# Altium PCB SmartHaloV1_ASCII.PcbDoc (part 3 of 4) (continued)
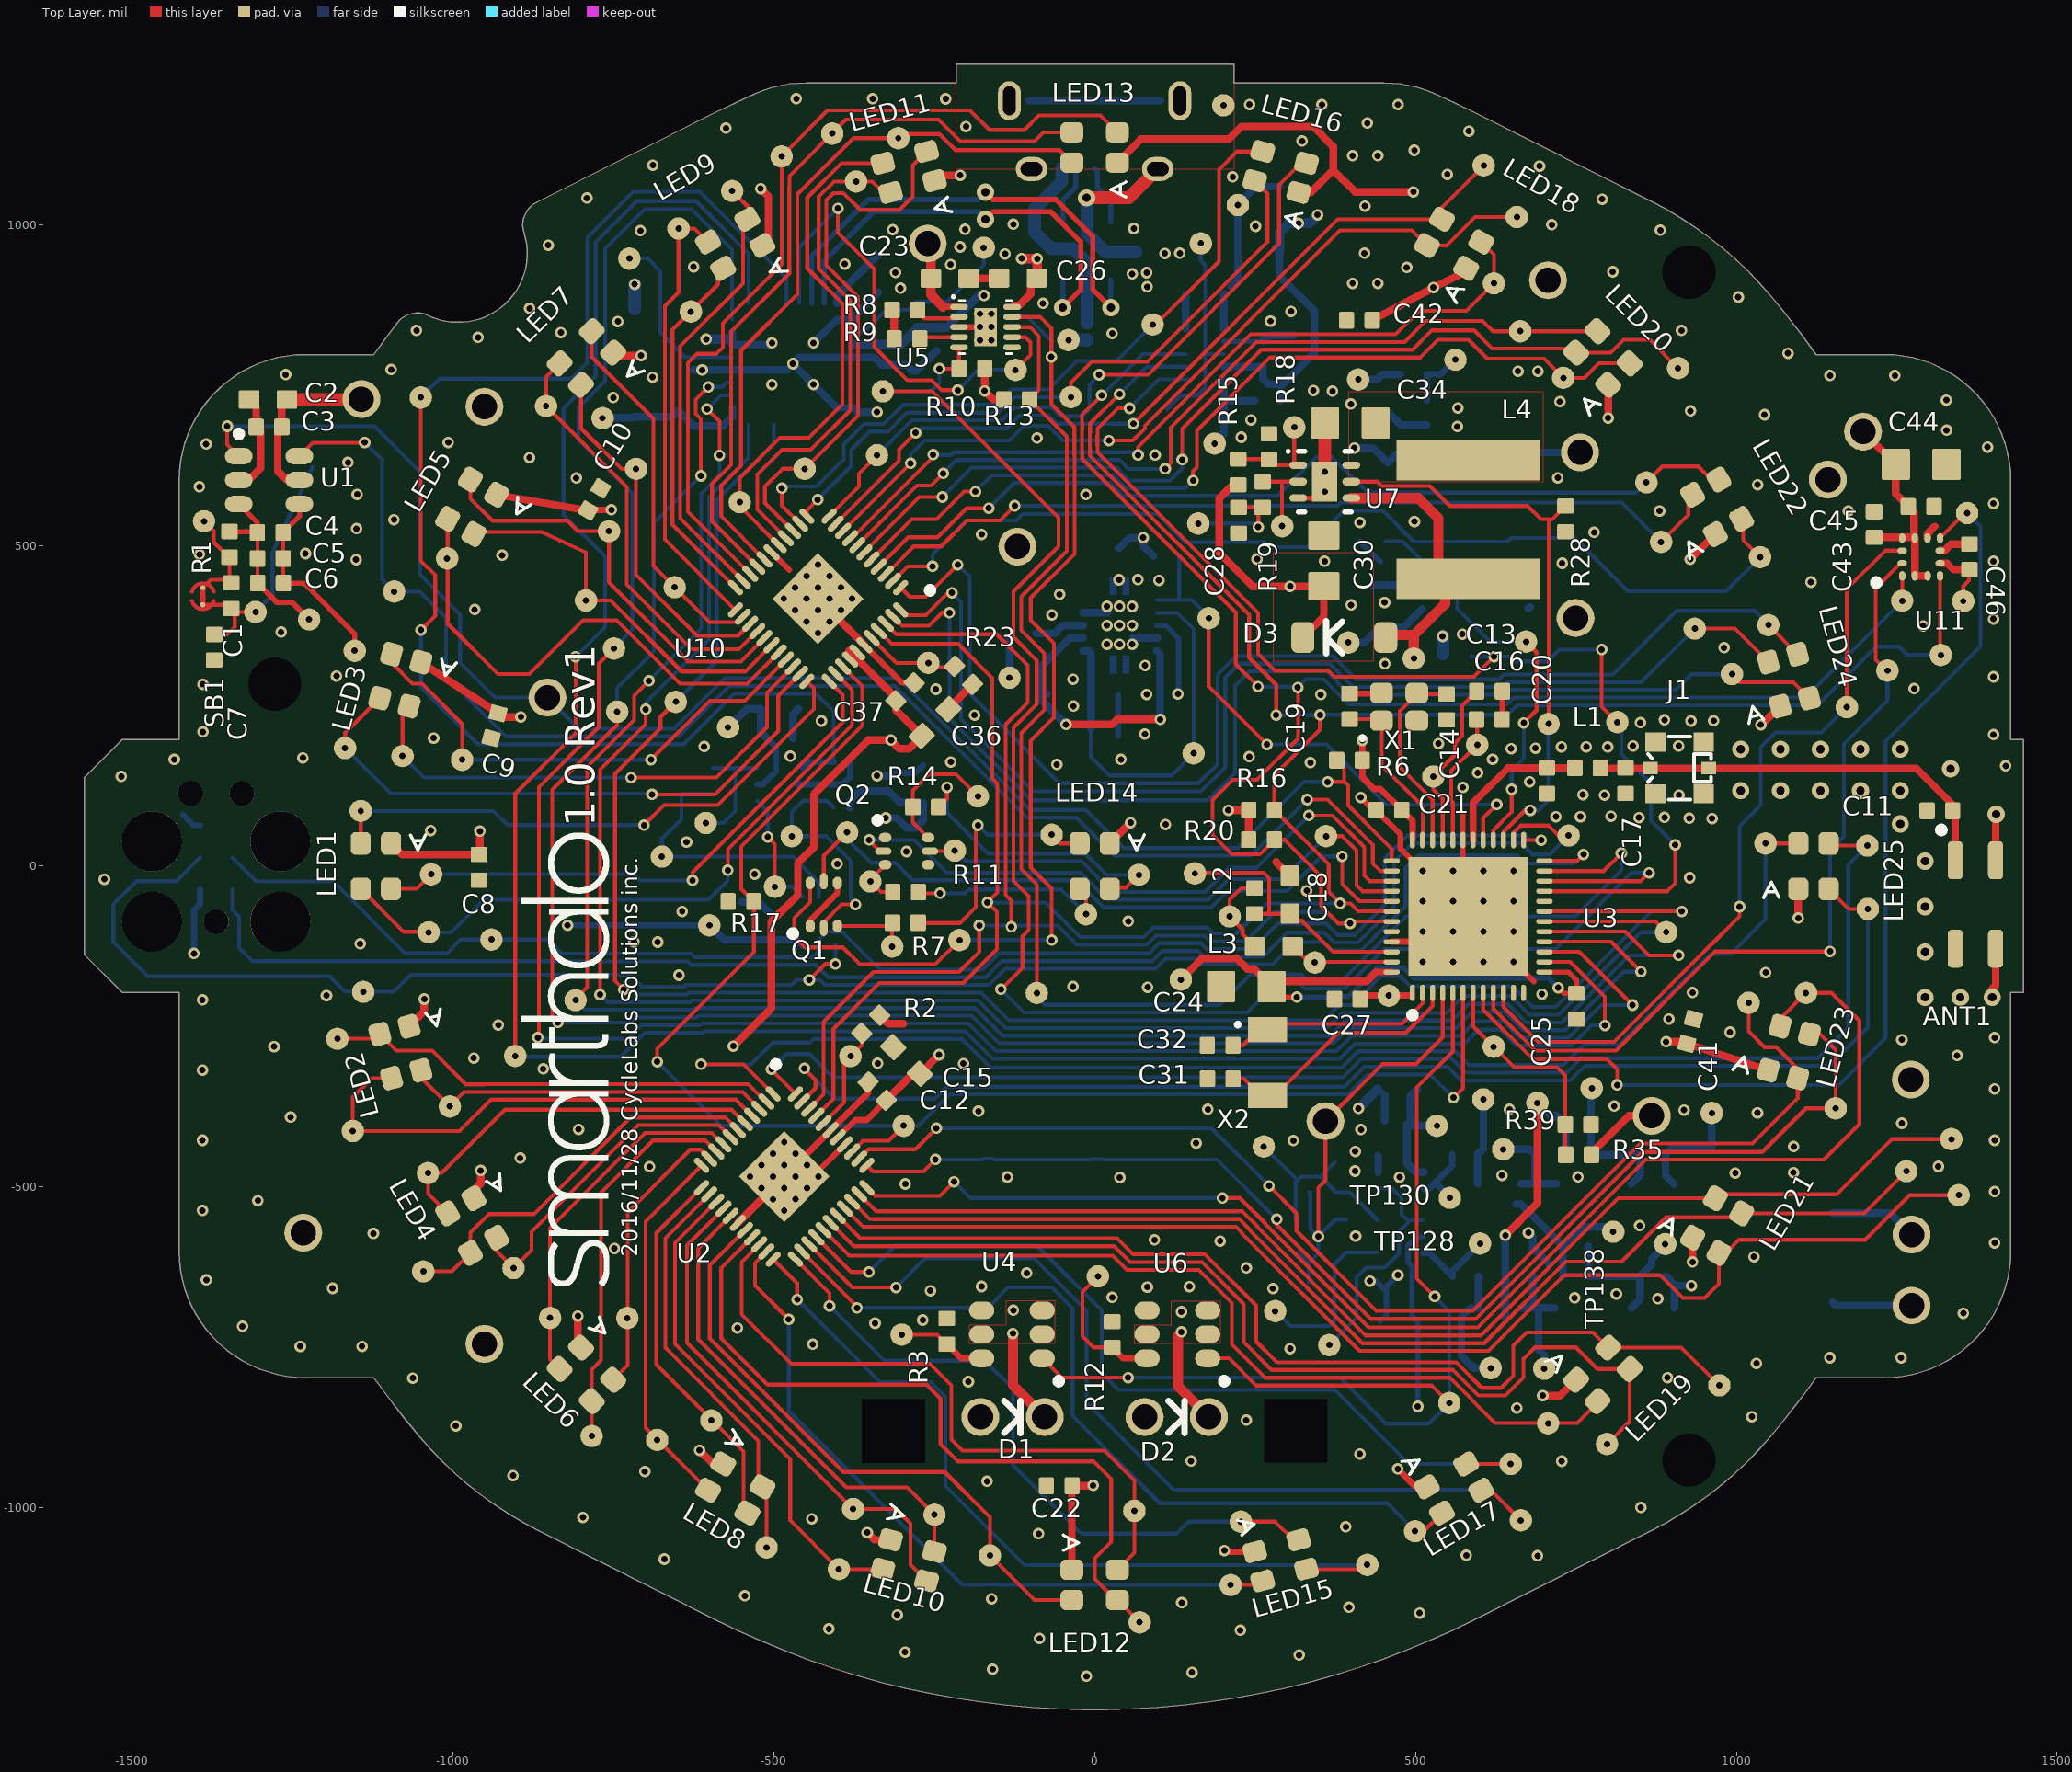
[diagram p0: Top Layer view]
## Nets (pads, with @x,y where several pads share a name; then routed paths per layer and width w, separated by ;. In a path a pad name is that pad's centre, name@x,y a point inside that pad or via, vN(x,y) a via of type N, cw(c..) or ccw(c..) an arc to the next point about the centre after c; other vN are vias at no path point) (continued)
  Bottom Layer w6: v1(-124.5,561.7) -21.46,561.7 -20.86,561.1 -5.94,561.1 -5.34,561.7 378.79,561.7 383.79,566.7 821.3,566.7 TP68.1@882.7,505.3
OUT42: LED22.3 TP67.1 U10.4 | length 1444.6
  Top Layer w6: U10.4@-336.45,466.81 -290.66,512.6 -245,512.6 -199.8,557.8 v1(-164.9,557.8) ; TP67.1@859.8,598.1 884.7,623 940.6,623 961.06,602.54 LED22.3@972.74,602.54
  Bottom Layer w6: v1(-164.9,557.8) -164.9,557.9 -125.7,597.1 23.9,597.1 43.9,577.1 284.7,577.1 344.8,637.2 370.2,637.2 425.2,582.2 843.9,582.2 TP67.1@859.8,598.1
OUT43: LED20.2 TP71.1 U10.5 | length 1416.1
  Top Layer w6: U10.5@-347.58,477.95 -284.66,540.87 -246.23,540.87 -203.4,583.7 v1(-185.8,583.7) ; v1@153.4,600.35 v1(153.4,600.83) 153.4,615.6 159.4,621.6 159.4,678.8 273.5,792.9 507.4,792.9 534.7,820.2 582.6,820.2 611.9,790.9 700.5,790.9 TP71.1@730.3,761.1 763.2,761.1 785.76,783.66 LED20.2@833.77,783.66
  Bottom Layer w6: v1(-185.8,583.7) -160.4,609.1 28.87,609.1 48.87,589.1 141.67,589.1 v1(153.4,600.83)
OUT44: LED20.4 TP70.1 U10.6 | length 1505.4
  Top Layer w6: U10.6@-358.72,489.08 -358.72,490.02 -273.44,575.3 v1(-237.5,575.3) ; v1(136.49,633.41) 136.49,681.69 259.7,804.9 495.4,804.9 525.7,835.2 591.1,835.2 619.5,806.8 743.81,806.8 LED20.4@750.25,800.36 804.36,800.36 824.3,820.3 865.1,820.3 TP70.1@909.2,776.2
  Bottom Layer w6: v1(-237.5,575.3) -191.7,621.1 33.84,621.1 53.84,601.1 117.46,601.1 136.49,620.13 v1(136.49,633.41)
OUT45: LED20.3 TP69.1 U10.7 | length 1349.2
  Top Layer w6: U10.7@-369.85,500.22 -276.77,593.3 -254.8,593.3 v1(-236,612.1) ; v1(110,619.1) 118.49,627.59 118.49,683.49 251.9,816.9 482.9,816.9 515.7,849.7 604.6,849.7 620.53,833.77 TP69.1@663.17,833.77 LED20.3@783.66,833.77
  Bottom Layer w6: v1(-236,612.1) -215,633.1 38.81,633.1 52.81,619.1 v1(110,619.1)
OUT46: LED18.2 TP72.1 U10.8 | length 1254.3
  Top Layer w6: U10.8@-380.99,511.35 -377.81,511.35 -251.7,637.46 v1(-251.7,641.5) ; v1(67.7,640.8) 67.7,653.3 243.3,828.9 469.2,828.9 506,865.7 579.5,865.7 TP72.1@622.2,908.4 622.2,953.08 LED18.2@602.54,972.74
  Bottom Layer w6: v1(-251.7,641.5) -251.7,640.96 -251.54,640.8 -224.27,640.8 -219.97,645.1 63.4,645.1 v1(67.7,640.8)
OUT47: LED18.4 TP73.1 U10.9 | length 1301.6
  Top Layer w6: U10.9@-392.13,522.49 v1(-286.8,627.81) ; v1(22.4,663.3) 59.46,663.3 78.3,682.14 78.3,686.5 382.5,990.7 494.1,990.7 LED18.4@517.54,967.26 548.46,967.26 592.9,1011.7 TP73.1@657.9,1011.7
  Bottom Layer w6: v1(-286.8,627.81) -286.8,641.2 -264.7,663.3 -133.1,663.3 -110,686.4 -72.47,686.4 -49.38,663.3 v1(22.4,663.3)
OUT48: LED18.3 TP74.1 U10.10 | length 1272.5
  Top Layer w6: U10.10@-403.26,533.62 -304.8,632.08 -304.8,649.36 v1(-278.86,675.3) ; v1(60.3,689.6) 378.87,1008.17 LED18.3@541.16,1008.17 541.16,1026.96 TP74.1@606.3,1092.1
  Bottom Layer w6: v1(-278.86,675.3) -271.66,682.5 -136.9,682.5 -117.2,702.2 -71.3,702.2 -58.7,689.6 v1(60.3,689.6)
OUT49: LED16.2 TP123.1 U10.11 | length 1070.8
  Top Layer w6: U10.11@-413.7,545.45 -367.1,592.06 -367.1,612 TP123.1@-338.9,640.2 ; v1(7,765.9) 83.2,765.9 287.2,969.9 287.2,1061.1 321.64,1095.54 LED16.2@330.22,1095.54
  Bottom Layer w6: TP123.1@-338.9,640.2 -338.9,640.72 -284.72,694.9 -144.27,694.9 -124.27,714.9 -67.03,714.9 -53.73,701.6 -18.8,701.6 -7.8,712.6 -7.8,751.1 v1(7,765.9)
OUT50: LED16.4 TP124.1 U10.12 | length 1031.5
  Top Layer w6: U10.12@-448.5,545.45 -448.5,554.3 v1(-431.5,571.3) ; TP124.1@-37,730.9 -37,753.7 -4.6,786.1 82.3,786.1 269.3,973.1 269.3,1048.49 LED16.4@249.54,1068.24
  Bottom Layer w6: v1(-431.5,571.3) -379.1,623.7 -379.1,648.8 -350.6,677.3 -322,677.3 -292.4,706.9 -149.24,706.9 -125.24,730.9 TP124.1@-37,730.9
OUT51: LED16.3 TP122.1 U10.13 | length 1131.2
  Top Layer w6: v1(-487.4,589.1) -487.4,562.08 U10.13@-458.94,533.62 ; TP122.1@90.9,843.8 94.88,843.8 193.6,942.52 193.6,1085.6 221.88,1113.88 LED16.3@261.77,1113.88
  Bottom Layer w6: v1(-487.4,589.1) -484.93,591.57 -433.33,591.57 -391.1,633.8 -391.1,657.32 -359.12,689.3 -328.4,689.3 -298.8,718.9 -154.21,718.9 -130.21,742.9 -72.2,742.9 -27.5,787.6 33.9,787.6 TP122.1@90.5,844.2
OUT52: LED11.2 TP119.1 U10.14 | length 872.4
  Top Layer w6: U10.14@-470.07,522.49 -513.8,566.21 -513.8,592 -486.5,619.3 TP119.1@-451.9,619.3 -368.8,702.4 -368.8,887.04 -418.1,936.34 -418.1,1038 -407.1,1049 -391.6,1049 -365.34,1022.74 -304.22,1022.74 -283.3,1043.66 -283.3,1092.39 LED11.2@-261.81,1113.88
OUT53: LED11.4 TP120.1 U10.15 | length 785.9
  Top Layer w6: U10.15@-481.21,511.35 -525.8,555.94 -525.8,610.4 -487.2,649 -442.3,649 -380.9,710.4 -380.9,882.17 -430.1,931.37 -430.1,1042.97 -406.07,1067 -346.5,1067 -329.4,1049.9 LED11.4@-318.03,1049.9
OUT54: LED11.3 TP121.1 U10.16 | length 822.3
  Top Layer w6: U10.16@-492.35,500.22 -553,560.87 -553,605.1 -490.6,667.5 -445.5,667.5 -392.9,720.1 -392.9,876.8 -447.9,931.8 -447.9,1042.14 -394.5,1095.54 LED11.3@-330.26,1095.54
OUT55: LED13.4 TP118.1 U10.18 | length 1131.2
  Top Layer w6: U10.18@-514.62,477.95 -581.8,545.13 -581.8,593.27 -551.1,623.97 -551.1,803.5 -463.1,891.5 -463.1,1047.1 -375.6,1134.6 TP118.1@-306,1134.6 -299.56,1141.04 -241.74,1141.04 -216.6,1115.9 -54.88,1115.9 LED13.4@-35.43,1096.46
OUT56: LED13.3 TP117.1 U10.19 | length 1183.9
  Top Layer w6: U10.19@-525.75,466.81 -596.2,537.26 -596.2,595.84 -566.6,625.44 -566.6,833 -475.85,923.75 -475.85,972.98 -475.8,973.03 -475.8,1058.27 ; -475.6,1058.47 -475.6,1075.6 -387.7,1163.5 -243.2,1163.5 -209.6,1129.9 -93.8,1129.9 -80,1143.7 LED13.3@-35.43,1143.7
OUT57: LED13.2 TP116.1 U10.20 | length 1354.1
  Top Layer w6: U10.20@-536.89,455.67 -633.8,552.59 -633.8,784.3 -619.5,798.6 -589.2,798.6 -579.6,808.2 -579.6,846.3 -487.85,938.05 -487.85,977.95 -487.8,978 TP116.1@-487.8,1106.12 ; TP116.1@-487.6,1106.5 -416.3,1177.8 -194.3,1177.8 -164,1147.5 -109.4,1147.5 -86.9,1170 9.13,1170 LED13.2@35.43,1143.7
OUT58: LED9.2 TP95.1 U10.21 | length 706.7
  Top Layer w6: TP95.1@-564.9,1052.4 -533.1,1020.6 -533.1,1016.24 LED9.2@-541.16,1008.17 ; U10.21@-548.02,444.54 -645.8,542.32 -645.8,810.3 -547.9,908.2 -547.9,996.39 LED9.2@-538.64,1005.65
OUT59: LED9.4 TP93.1 U10.22 | length 571.4
  Top Layer w6: LED9.4@-582.17,933.62 -586.9,928.89 -586.9,906.8 TP93.1@-629.3,864.4 -657.8,835.9 -657.8,532.04 U10.22@-559.85,434.1
OUT60: LED9.3 TP94.1 U10.23 | length 703.5
  Top Layer w6: LED9.3@-602.54,972.74 -623.6,993.8 TP94.1@-648.4,993.8 -648.4,894.5 -669.8,873.1 -669.8,509.25 U10.23@-559.85,399.3
OUT61: LED7.2 TP92.1 U10.24 | length 584.9
  Top Layer w6: LED7.2@-784,833.46 -784,793.9 -687.6,697.5 -687.6,467.8 -600.2,380.4 -556.48,380.4 U10.24@-548.02,388.86
OUT62: LED7.4 TP91.1 U10.25 | length 569.4
  Top Layer w6: LED7.4@-800.4,750.25 -800.4,682.4 -737.1,619.1 TP91.1@-714.6,619.1 -714.6,454.3 -619.6,359.3 -555.31,359.3 U10.25@-536.89,377.73
OUT63: LED7.3 TP90.1 U10.26 | length 662.3
  Top Layer w6: LED7.3@-833.81,783.66 -854.76,762.7 -854.76,716.86 -729,591.1 -729,439.1 -627.9,338 -554.34,338 U10.26@-525.75,366.59
OUT64: LED5.2 TP89.1 U10.27 | length 661.2
  Top Layer w6: LED5.2@-972.78,608.61 LED5.2@-972.78,602.54 -972.78,572.68 -938.44,538.34 -821.64,538.34 -805.5,522.2 TP89.1@-756.8,522.2 -756.8,442.3 -633.4,318.9 -551.17,318.9 U10.27@-514.62,355.45
OUT65: LED5.4 TP88.1 U10.28 | length 612
  Top Layer w6: LED5.4@-967.3,517.54 -967.3,520.99 -862,520.99 -792.7,488.93 TP88.1@-792.7,414.1 -754.3,414.1 -643.5,303.3 -544.5,303.3 U10.28@-503.48,344.32
OUT66: LED5.3 TP87.1 U10.29 | length 807.8
  Top Layer w6: LED5.3@-1008.21,541.16 -1008.21,377.81 -929.8,299.4 -881,299.4 -797.1,383.3 -745,383.3 -645.9,284.2 -541.33,284.2 U10.29@-492.35,333.18
OUT67: LED3.2 TP85.1 U10.30 | length 787.6
  Top Layer w6: LED3.2@-1095.58,330.22 -1095.58,316.98 -1062.8,284.2 -1048.2,284.2 -985.7,221.7 TP85.1@-985.7,165.9 ; v1(-691.5,165.9) -599.4,258 -545.26,258 U10.30@-481.21,322.05
  Bottom Layer w6: TP85.1@-985.7,165.9 v1(-691.5,165.9)
OUT68: LED3.4 TP84.1 U10.31 | length 807.7
  Top Layer w6: TP84.1@-1078.6,171.7 -1078.6,239.23 LED3.4@-1068.28,249.54 ; v1(-722.4,138) -589.3,138 -510.7,216.6 -510.7,270.29 U10.31@-470.07,310.91
  Bottom Layer w6: TP84.1@-1078.6,171.7 -1044.9,138 v1(-722.4,138)
OUT69: LED3.3 TP83.1 U10.32 | length 947.8
  Top Layer w6: TP83.1@-1168.1,184.1 -1168.1,207.59 LED3.3@-1113.92,261.77 ; v1(-689.7,111.8) -591.8,111.8 -493,210.6 -493,265.72 U10.32@-458.94,299.78
  Bottom Layer w6: TP83.1@-1168.1,184.1 -1096.9,112.9 v1@-690.8,112.9
OUT70: LED1.2 TP82.1 U10.33 | length 889.9
  Top Layer w6: TP82.1@-1143.7,86 LED1.2@-1143.7,35.43 LED1.2@-1142.5,36.63 ; v1(-702.2,64) -671,95.2 -587.5,95.2 -437.6,245.1 -437.6,277.05 U10.33@-448.5,287.95
  Bottom Layer w6: TP82.1@-1143.7,86 -936.8,86 -914.8,64 v1(-702.2,64)
OUT71: LED1.4 TP81.1 U10.34 | length 898.5
  Top Layer w6: LED1.4@-1096.46,-35.43 -1056.83,-35.43 TP81.1@-1033.9,-12.5 ; v1(-626.7,-22.1) -626.7,-9.8 -392.7,224.2 -392.7,266.94 U10.34@-413.43,287.67
  Bottom Layer w6: TP81.1@-1033.9,-12.5 -718.3,-12.5 -708.7,-22.1 v1(-626.7,-22.1)
OUT72: LED1.3 TP80.1 U10.35 | length 1046.2
  Top Layer w6: LED1.3@-1143.7,-35.43 -1076.83,-102.3 -1038.6,-102.3 TP80.1@-1037.8,-103.1 ; v1(-571.7,-6.3) -571.7,26.53 -378.2,220.03 -378.2,274.72 U10.35@-403.26,299.78
  Bottom Layer w6: TP80.1@-1037.8,-103.1 -1002.6,-103.1 -951.9,-52.4 -601.7,-52.4 -571.7,-22.4 v1(-571.7,-6.3)
P0.09/NFC1: U3.11
P0.10/NFC2: U3.12
P\G\: R10.1 TP149.1 U3.22 U5.5 | length 2647.6
  Top Layer w6: TP149.1@-330.1,740.1 -253.6,740.1 -56.4,542.9 -56.4,498.2 -126.5,428.1 -126.5,357.1 -90.42,321.02 -90.42,252.01 -126.5,215.93 -126.5,-23 -102.9,-46.6 -102.9,-99.32 -112.4,-108.82 -112.4,-158.6 v1(-145.9,-192.1) ; v1(-241.9,775.3) R10.1@-211.4,775.3 U5.5@-211.4,808.64 ; U3.22@700.99,-23.28 851.02,-23.28 v1(863.9,-10.4)
  Bottom Layer w6: TP149.1@-330.1,740.1 -255.1,740.1 -241.9,753.3 v1(-241.9,775.3) ; v1(-145.9,-192.1) -109.8,-228.2 237.5,-228.2 284.8,-180.9 317.36,-180.9 326.96,-190.5 389.81,-190.5 401.43,-178.88 401.66,-178.88 451.44,-129.1 718.1,-129.1 836.8,-10.4 v1(863.9,-10.4)
PRETERM: R9.1 U5.4 | length 62
  Top Layer w6: R9.1@-272.4,822.1 -270.05,824.45 U5.4@-211.34,824.45
QTOUCH: R6.1 TP100.1 U1.1 U3.37 | length 2506.3
  Top Layer w6: v1(-1351.7,685.7) -1351.7,657.08 U1.1@-1333.78,639.15 ; v1(363.2,131.3) 388.9,131.3 ; R6.1@377.2,165.1 388.9,153.4 388.9,131.3 ; U3.37@462.81,8.21 462.81,26.99 429.73,60.07 429.67,60.07 424.55,65.2 417.8,71.95 417.8,72 395,94.8 395,126 389.3,131.7 388.9,131.3
  Bottom Layer w6: v1(-1351.7,685.7) -1122.2,685.7 -1051.5,615 -1051.5,454.7 -988.8,392 -988.8,316.9 -934.7,262.8 TP100.1@-852.7,262.8 -804.1,214.2 -655.1,214.2 -576.3,293 -306.14,293 -100.94,87.8 -14.3,87.8 45.3,28.2 223,28.2 326.5,131.7 326.9,131.3 v1(363.2,131.3)
R\E\S\E\T\: R32.1 R33.2 TP152.1 U16.18 | length 273.2
  Bottom Layer w6: U16.18@-375.91,832.31 -359.59,832.31 -324.92,866.98 -290.72,866.98 R33.2@-278.3,879.4 -230.6,879.4 -172.8,937.2 TP152.1@-172.8,963.8
RTS: TP142.1 U3.15 U16.8 | length 3658.7
  Top Layer w6: v1(-867.7,-267.1) -866.1,-265.5 -866.1,123.3 -772.5,216.9 -772.5,315.8 TP142.1@-749.1,339.2 ; U3.15@700.99,-133.52 755.32,-133.52 v1(838.3,-216.5)
  Bottom Layer w6: v1(-867.7,-267.1) -867.7,-268.6 -727.3,-268.6 -706.6,-247.9 -615.19,-247.9 -612.49,-245.2 -196.66,-245.2 -153.66,-288.2 376.96,-288.2 400.66,-264.5 563.21,-264.5 563.41,-264.3 570.5,-264.3 593.1,-241.7 636.65,-241.7 660.4,-265.45 660.4,-265.68 662.32,-267.6 738.04,-267.6 789.14,-216.5 v1(838.3,-216.5) ; TP142.1@-749.1,339.2 -720.3,368 -720.3,581 -804.6,665.3 -804.6,714.5 -762.9,756.2 -762.9,962 -701.2,1023.7 -627.9,1023.7 -564.89,960.69 U16.8@-564.89,852
RXD: TP144.1 U3.19 U16.30 | length 2984.1
  Top Layer w6: v1(-733.9,-192.2) -747.5,-178.6 -747.5,143.6 -676.4,214.7 -676.4,232.5 TP144.1@-652.8,256.1 ; U3.19@700.99,-70.53 v1(914.93,-70.53)
  Bottom Layer w6: v1(-733.9,-192.2) -717.7,-192.2 -710,-199.9 -635.07,-199.9 -632.37,-197.2 -176.78,-197.2 -133.78,-240.2 357.08,-240.2 380.78,-216.5 400.81,-216.5 445.91,-171.4 475.82,-171.4 491.72,-187.3 650.13,-187.3 682.43,-219.6 718.16,-219.6 867.23,-70.53 v1(914.93,-70.53) ; TP144.1@-652.8,256.1 -589.1,319.8 -589.1,570.2 -499.93,659.37 U16.30@-499.93,688.61
S2V8: C2.1 C3.1 C29.1 C33.1 C38.1 C40.1 C47.1 TP16.1 TP17.1 TP18.1 U1.5 U8.5 U9.5 U12.5 | length 4493.5
  Top Layer w12: C2.1@-1258.7,727.2 -1266.7,719.2 C3.1@-1266.7,684.5 -1272.94,678.26 -1272.94,615.84 -1258.85,601.75 U1.5@-1239.29,601.75
  Top Layer w20: C2.1@-1258.7,727.2 TP18.1@-1140.6,727.2
  Power Plane w20: TP18.1@-1142.7,727.9 -1197.5,673.1 -1197.5,439.54 -505.76,-252.2 486.03,-252.2 ; v1(503.6,-842.1) 503.6,-495.47 533.3,-465.77 TP17.1@533.3,-404.6 486.03,-357.33 486.03,-221.54 491.9,-215.68 491.9,-187.92 486.03,-182.06 486.03,198.63 555,267.6 691.1,267.6 749.4,325.9 TP16.1@749.4,386.6
  Bottom Layer w8: v1@503.8,-841.9 C40.1@503.8,-710 494.65,-700.85 C38.1@494.65,-662.75 494.65,-623.85 488.3,-617.5 488.3,-590.9 502.18,-577.02 U9.5@511.65,-577.02
  Bottom Layer w12: C33.1@486.5,-404.6 TP17.1@533.3,-404.6 ; C33.1@486.5,-402.32 486.5,-463.4 499.96,-476.87 U8.5@512.81,-476.87 ; C33.1@492.01,-396.81 492.01,-358.78 C29.1@502.8,-348 ; C47.1@675.8,401.5 C47.1@678.4,404.1
S\L\E\E\P\: TP146.1 U3.14 U16.9 | length 3686.1
  Top Layer w6: TP146.1@-902.9,-295.9 -902.9,112.9 -808.9,206.9 v1(-808.9,326.4) ; U3.14@700.99,-149.27 740.85,-149.27 795.2,-203.62 v1(795.2,-248.2)
  Bottom Layer w6: TP146.1@-902.9,-295.9 -901.6,-297.2 -738.3,-297.2 -701,-259.9 -610.22,-259.9 -607.52,-257.2 -201.63,-257.2 -158.63,-300.2 381.93,-300.2 405.63,-276.5 568.18,-276.5 568.38,-276.3 576.3,-276.3 597.7,-254.9 632.88,-254.9 648.4,-270.42 648.4,-270.65 657.35,-279.6 743.01,-279.6 774.41,-248.2 v1(795.2,-248.2) ; v1(-808.9,326.4) -763,372.3 -763,482.6 -827.8,547.4 -827.8,713.3 -777.6,763.5 -777.6,972.4 -713.5,1036.5 -621.3,1036.5 -539.3,954.5 U16.9@-539.3,877.59
SCL: R20.1 TP63.1 U2.42 U3.43 U10.42 U11.1 U14.3 | length 4341.4
  Top Layer w6: U2.42@-444.73,-377.91 -422.4,-355.59 -422.4,-242.6 -344.7,-164.9 -211.4,-164.9 -179.8,-133.3 v1(-179.8,-92.5) ; U10.42@-325.31,377.73 -308.99,361.4 -152.7,361.4 -104.4,313.1 -104.4,255 -138.5,220.9 -138.5,-45.1 -129.8,-53.8 v1(-129.8,-94.4) ; v1(11,733.9) -19.6,703.3 -19.6,689.47 -19.3,689.17 -19.3,681 -19.6,680.7 -19.6,645.9 -19.3,645.6 -19.3,634.7 220,395.4 220,314.4 v1(254.6,279.8) ; v1(316.4,278.6) 316.9,278.1 316.9,198.78 252.82,134.7 215.1,134.7 183.9,103.5 183.9,48.6 214.1,18.4 257.4,18.4 R20.1@280.2,41.2 295.7,41.2 352.8,-15.9 352.8,-62.3 379.7,-89.2 v1(398,-89.2) 400.93,-86.27 U3.43@462.81,-86.27 ; TP63.1@1258.46,413.56 U11.1@1258.46,452.37
  Bottom Layer w6: v1(-179.8,-92.5) -134.3,-92.5 v1@-129.4,-87.6 ; v1@-129.8,-88 v1(-129.8,-94.4) -128.1,-92.7 -57.48,-92.7 -27.58,-122.6 81.39,-122.6 95.79,-108.2 171.01,-108.2 179.71,-116.9 235.5,-116.9 281,-71.4 359.97,-71.4 377.77,-89.2 v1(398,-89.2) ; v1(11,733.9) 75.23,798.13 U14.3@142.04,798.13 ; v1(254.6,279.8) 317.6,279.8 329.3,291.5 356.3,291.5 395.8,252 642.03,252 652.93,262.9 1107.8,262.9 TP63.1@1258.46,413.56
SDA: R16.1 TP62.1 U2.41 U3.42 U10.41 U11.4 U14.2 | length 4106.5
  Top Layer w6: U2.41@-433.59,-389.05 -407,-362.46 -407,-253.6 -335.5,-182.1 -204.9,-182.1 -152.3,-129.5 -152.3,-71.3 v1(-167.1,-56.5) -151.6,-41 -151.6,128.5 -159.6,136.5 -159.6,293.2 -212.9,346.5 -316.36,346.5 U10.41@-336.45,366.59 ; v1(38.8,735.7) -7.3,689.6 -7.3,676.03 -7.6,675.73 -7.6,650.87 -7.3,650.57 -7.3,639.67 240.7,391.67 240.7,324.9 283,282.6 v1(283,235.4) ; v1(351.2,235.9) 351.2,213 280.2,142 R16.1@280.2,87.2 364.8,2.6 364.8,-40.3 v1(382.5,-58) 398.62,-58 411.15,-70.53 U3.42@462.81,-70.53 ; TP62.1@1317.51,345.6 U11.4@1317.51,452.37
  Bottom Layer w6: v1(-167.1,-56.5) -76.71,-56.5 -22.61,-110.6 76.42,-110.6 91.32,-95.7 175.48,-95.7 184.68,-104.9 221.38,-104.9 268.28,-58 v1(382.5,-58) ; v1(38.8,735.7) 81.55,778.44 U14.2@142.04,778.44 ; v1(283,235.4) 344.3,235.4 344.9,236 348.1,232.8 v1(351.2,235.9) 642.9,235.9 657.9,250.9 1126.4,250.9 1217.6,342.1 1253.2,342.1 1266.2,329.1 TP62.1@1318.7,329.1
SDB: R17.2 TP115.1 U2.36 U3.6 U10.36 | length 2373.4
  Top Layer w6: v1(-681.7,-304.8) -681.7,-284.5 -531.1,-133.9 R17.2@-531.1,-55 -550.5,-35.6 -550.5,30.76 -362.1,219.16 -362.1,280.89 U10.36@-392.13,310.91 ; U2.36@-377.91,-444.73 -361.09,-427.9 -321,-427.9 TP115.1@-297.6,-404.5 ; v1(559.2,-360.8) 574.03,-345.97 U3.6@574.03,-197.49
  Bottom Layer w6: v1(-681.7,-304.8) -582,-404.5 TP115.1@-297.6,-404.5 -274.52,-404.5 -225.72,-355.7 394.31,-355.7 425.51,-324.5 522.9,-324.5 v1(559.2,-360.8)
SNS_N: C4.2 C5.2 C6.2 TP102.1 U1.4 | length 295.1
  Top Layer w6: C6.2@-1264.47,450.04 C4.2@-1264.47,520.2
  Top Layer w8: C4.2@-1264.47,520.2 -1239.29,545.38 U1.4@-1239.29,564.35 ; C6.2@-1264.3,441.1 -1232.1,441.1 -1153.1,362.1 TP102.1@-1153.1,335.7
SNS_P: C4.1 C5.1 C6.1 R1.1 TP103.1 U1.3 | length 287.9
  Top Layer w6: C6.1@-1304.74,441.1 C5.1@-1304.74,479.39 ; C5.1@-1304.74,484.29 C5.1@-1304.74,479.39 ; C4.1@-1304.74,519.92 C5.1@-1304.74,479.39
  Top Layer w8: R1.1@-1348.2,521.5 -1306.32,521.5 C4.1@-1304.74,519.92 -1304.74,535.32 U1.3@-1333.78,564.35 ; C6.1@-1304.3,441.1 -1274.1,410.9 -1250.4,410.9 TP103.1@-1224.1,384.6
SWDCLK: J7.4 TP79.1 U3.25 | length 2354.8
  Top Layer w6: U3.25@668.51,40.69 v1(695.79,40.69)
  Bottom Layer w6: J7.4@-1343.9,13.6 -1306.4,-23.9 -1186.5,-23.9 -1074.4,-136 -1009.5,-136 -987.8,-114.3 TP79.1@-940,-114.3 -852.4,-114.3 -830.4,-136.3 -629.07,-136.3 -623.63,-141.74 -438.94,-141.74 -428.12,-130.92 -428.12,-113.42 -417.3,-102.6 -392.9,-102.6 -334.3,-161.2 -174.4,-161.2 -149.2,-136 84.96,-136 100.76,-120.2 166.04,-120.2 174.74,-128.9 246,-128.9 285.6,-89.3 360.9,-89.3 378.8,-107.2 405.46,-107.2 416,-96.66 416,-96.33 431.23,-81.1 431.56,-81.1 452.1,-60.56 452.1,12.5 487.7,48.1 671,48.1 678.41,40.69 v1(695.79,40.69)
SWDIO: J7.2 TP77.1 U3.26 | length 2461.5
  Top Layer w6: U3.26@652.77,40.69 652.77,52.1 655.37,54.7 655.58,54.7 655.58,54.91 663.86,63.19 707.45,63.19 722.84,47.8 TP77.1@738.5,47.8
  Bottom Layer w6: J7.2@-1343.9,-36.4 -1343.9,-67.7 -1333.1,-78.5 -1333.1,-127.3 -1312.4,-148 -835.67,-148 -835.37,-148.3 -634.04,-148.3 -628.6,-153.74 -434.69,-153.74 -415.23,-173.2 -169.43,-173.2 -144.23,-148 89.93,-148 105.73,-132.2 161.07,-132.2 169.77,-140.9 262.8,-140.9 300,-103.7 358.33,-103.7 373.83,-119.2 410.43,-119.2 428,-101.63 428,-101.3 436.2,-93.1 436.53,-93.1 466.9,-62.73 466.9,7.1 495.6,35.8 665,35.8 682.61,18.19 708.89,18.19 TP77.1@738.5,47.8
SYNC/MODE: TP101.1 U1.6 U3.38 | length 2307.8
  Top Layer w6: U1.6@-1239.29,639.15 -1218.64,659.8 -1136.4,659.8 -1137.1,660.5 v1(-1137.6,660.5) ; v1(331.3,103.8) 362.96,103.8 433.4,33.36 433.4,4.2 445.13,-7.53 U3.38@462.81,-7.53
  Bottom Layer w6: v1(-1137.6,660.5) -1110.4,633.3 -1110.4,446.7 TP101.1@-1091.6,427.9 -1051.3,427.9 -1010.6,387.2 -1010.6,295.9 -916.9,202.2 -648.3,202.2 -569.5,281 -311.11,281 -105.81,75.7 -76.63,75.7 -76.53,75.6 -28.7,75.6 30.7,16.2 243.7,16.2 v1(331.3,103.8)
TS: Q1.6 RT1.2 TP111.1 U5.9 | length 1735.9
  Top Layer w6: Q1.6@-443.28,-26.24 -443.28,-56.08 -468.3,-81.1 -468.3,-109.6 -451.3,-126.6 -392.4,-126.6 -366.1,-152.9 -248.3,-152.9 TP111.1@-210.6,-115.2 ; U5.9@-128.61,856 U5.9@-128.66,855.95 -84.83,855.95 -67.5,838.62 v1(-67.5,793.6) -67.5,720.4 -31.6,684.5 -31.6,640.93 -31.3,640.63 -31.3,586.66 -31.4,586.56 -31.4,571.64 -31.3,571.54 -31.3,486.4 -99.6,418.1 -99.6,383.5 -63.4,347.3 -63.4,231.8 -99.6,195.6 -99.6,-2.1 -66.8,-34.9 v1(-66.8,-115.2)
  Bottom Layer w6: TP111.1@-210.6,-115.2 v1(-66.8,-115.2) ; RT1.2@-124.5,857 -105.9,857 -67.5,818.6 v1(-67.5,793.6)
TXD: TP145.1 U3.17 U16.2 | length 3114.5
  Top Layer w6: TP145.1@-808.8,-208.8 -808.8,-206.58 -790.8,-188.58 -790.8,154.6 -717.6,227.8 -717.6,265.92 v1(-694.67,288.85) ; v1(-603.8,712.4) -584.6,693.2 v1(-584.6,640.4) ; U3.17@700.99,-102.02 826.92,-102.02 863.8,-138.9 v1(910.3,-138.9)
  Bottom Layer w6: TP145.1@-808.8,-208.8 -793.7,-223.9 -625.13,-223.9 -622.43,-221.2 -186.72,-221.2 -143.72,-264.2 367.02,-264.2 390.72,-240.5 553.27,-240.5 553.47,-240.3 557.2,-240.3 582.8,-214.7 643.59,-214.7 672.49,-243.6 728.1,-243.6 832.8,-138.9 v1(910.3,-138.9) ; v1(-694.67,288.85) -613.1,370.42 -613.1,580.14 -584.6,608.64 v1(-584.6,640.4) ; v1(-603.8,712.4) -582.31,733.89 U16.2@-564.89,733.89
U\S\B\R\E\S\E\T\: J7.3 TP78.1 U3.24 U20.4 | length 2867.3
  Top Layer w6: v1(-444.7,-177.3) -419.82,-152.42 v1(-403.88,-152.42) ; U3.24@700.99,8.21 751.81,8.21 v1(762,18.4)
  Bottom Layer w6: J7.3@-1393.9,13.6 -1430.9,-23.4 -1493.2,-23.4 -1529.3,-59.5 -1529.3,-117.8 -1475.6,-171.5 -1192.4,-171.5 -1168,-195.9 TP78.1@-1139.8,-195.9 -1092.2,-195.9 -1065.6,-169.3 -723.63,-169.3 -705.03,-187.9 -640.04,-187.9 -637.34,-185.2 -472.2,-185.2 -464.3,-177.3 v1(-444.7,-177.3) -428.1,-177.3 -420.2,-185.2 -164.46,-185.2 -139.26,-160 94.9,-160 110.7,-144.2 156.1,-144.2 164.8,-152.9 277.8,-152.9 312.2,-118.5 356.16,-118.5 368.86,-131.2 415.4,-131.2 440,-106.6 440,-106.27 441.17,-105.1 441.5,-105.1 484.4,-62.2 484.4,-3.1 504.4,16.9 658.4,16.9 671.1,4.2 747.8,4.2 v1(762,18.4) ; v1(-403.88,-152.42) U20.4@-403.88,-122.9
USB_D_N: U16.15 U17.6 | length 684
  Top Layer w8: v2(-170.4,1008.2) -158.7,1019.9 -68.3,1019.9 -21.7,973.3 -21.7,898.4 v2(-49.7,870.4)
  Bottom Layer w8: U16.15@-421.19,877.59 -421.19,943.41 -344.7,1019.9 -182.1,1019.9 v2(-170.4,1008.2) ; v2(-49.7,870.4) -49.5,870.6 U17.6@-49.5,913.82
USB_D_P: U16.14 U17.4 | length 747.2
  Top Layer w8: v2(-170.4,1050.6) -158.7,1038.9 -60.43,1038.9 -2.7,981.17 -2.7,898.4 v2(25.3,870.4)
  Bottom Layer w8: U16.14@-440.87,877.59 -440.87,950.6 -352.57,1038.9 -182.1,1038.9 v2(-170.4,1050.6) ; v2(25.3,870.4) 25.3,886.2 U17.4@25.3,913.82
USBD_IN_N: J5.2 U17.1 | length 93.1
  Bottom Layer w8: U17.1@-49.5,1004.38 -49.5,1038.03 -29.59,1057.94 -29.59,1083.6 J5.2@-25.59,1087.6
USBD_IN_P: J5.3 U17.3 | length 93.7
  Bottom Layer w8: J5.3@0,1087.6 4,1083.6 4,1057.93 25.3,1036.63 U17.3@25.3,1004.38
USBGND: J5.0 J5.5 NT6.1 TP176.1 U17.2 | length 479.4
  Top Layer w20: v2(-12.8,1041.5) 53.31,1041.5 J5.0@98.43,1086.61
  Bottom Layer w12: J5.0@-102.36,1192.91 J5.0@-39.37,1192.91 J5.0@39.37,1192.91 J5.0@102.36,1192.91
  Bottom Layer w20: v2@-12.1,1042.2 U17.2@-12.1,1004.38 -12.1,985.7 16.6,957 NT6.1@64.3,957
VAUX: C55.1 TP171.1 U15.1 U15.7 | length 623.3
  Bottom Layer w6: C55.1@-5.9,214.6 -5.9,170.6 23.4,141.3 119.6,141.3 TP171.1@154.2,175.9 154.2,369.4 128.71,394.89 U15.7@96.97,394.89
  Bottom Layer w12: U15.1@-18.17,335.83 -9.33,335.83 -5.9,332.4 C55.1@-5.9,214.6
VBAT: C26.1 C34.1 C48.1 C50.1 C51.1 C52.1 C54.1 J4.2 L4.1 L5.1 R4.2 R38.1 TP1.1 TP21.1 TP22.1 U5.10 U7.6 U12.1 U13.1 U14.9 U15.5 U15.8 | length 1282
  Top Layer w10: U5.10@-128.66,871.7 U5.10@-126.36,874
  Top Layer w12: U5.10@-126.36,874 -117.5,874 -99.6,891.9 -99.6,906.5 C26.1@-89.9,916.2
  Top Layer w15: v1@-113.5,946.6 v1(-89.5,946.6) ; C26.1@-89.9,916.2 v1@-89.9,946.2
  Power Plane w8: v1(129.7,268.4) 129.7,341.9
  Power Plane w12: 442.3,714 v1(565.8,714)
  Bottom Layer w8: U15.8@96.97,375.2 110.45,375.2 130.8,354.84 130.8,269.5 v1(129.7,268.4) ; J4.2@279.9,964.59 J4.2@287.8,956.69
  Bottom Layer w12: U14.9@201.16,778.5 C51.1@262.4,778.5 262.4,759.5 270.5,751.4 293.8,751.4 C50.1@310.4,768 342.5,800.1 342.5,865.5 287.8,920.2 J4.2@287.8,956.69 ; R38.1@289.7,725.5 289.7,747.3 ; TP1.1@395.3,348.6 420.9,348.6 C48.1@444.8,372.5 482.14,372.5 U12.1@510.56,400.92 ; v1(404.7,651.7) 433.82,651.7 C52.1@457.18,628.34 479.06,650.22 U13.1@517.65,650.22 ; TP22.1@410.6,758.5 440.3,758.5 448.3,766.5 R4.2@476.9,766.5
  Bottom Layer w15: J4.2@287.8,956.69 287.8,987.2 302.5,1001.9 v1(317.7,1001.9) 334.4,1001.9 v1(347.5,1015)
  other v1: -54.5,423.5 -113.8,946.9
VBUS: J5.1 NT1.1 U17.5 | length 312.8
  Bottom Layer w20: J5.1@-51.18,1087.6 -51.18,1067.12 -93.6,1024.7 -93.6,988.2 -67.4,962 -33,962 -12.1,941.1 U17.5@-12.1,913.82 NT1.1@-12.1,846.3
VBZ: C30.1 C71.1 D3.1 Q3.4 Q4.4 R5.2 R15.2 R21.2 R35.2 TP3.1 TP4.1 | length 2283.6
  Top Layer w12: R15.2@223.6,594.3 215.11,594.3 194.3,573.49 194.3,487.9 246,436.2 v1(304.8,436.2) C30.1@357.2,436.2 357.2,389.3 D3.1@324.5,356.6 ; R35.2@774.1,-449.8 774.1,-447.1 832.2,-389 TP3.1@855.72,-389
  Power Plane w18: v1(399.8,407.1) 399.8,435.5
  Power Plane w20: v1(304.8,436.2) 645.4,436.2 709.2,500 744.4,500 990.4,254 990.4,211.3 969.2,190.1 969.2,111.8 989.7,91.3 989.7,33.2 961.8,5.3 TP4.1@961.8,-384.7
  Bottom Layer w12: R5.2@890,-639.3 890,-638.81 904.89,-653.7 v1(930.1,-653.7) ; Q4.4@903.06,-495.72 889.6,-482.25 R21.2@889.6,-449.7 901.2,-438.1 C71.1@961.8,-438.1 TP4.1@961.8,-384.7 ; Q3.4@903.46,-688.41 903.46,-652.76
VBZ_EN: R28.1 TP161.1 U3.27 U7.5 | length 908.4
  Top Layer w6: U7.5@399.94,599.3 440.4,599.3 447.38,592.32 522.38,592.32 553.4,561.3 674.8,561.3 695.2,540.9 713.5,540.9 R28.1@733.8,561.2 ; U3.27@637.02,40.69 637.02,53.32 670.7,87 v1(678.9,87) ; TP161.1@707.4,221.9 707.4,540.9
  Bottom Layer w6: v1(678.9,87) 691.8,87 707.1,102.3 707.1,221.9 TP161.1@707.4,221.9
VBZ_SENSE: R35.1 R39.2 TP178.1 U3.7 | length 350.4
  Top Layer w6: U3.7@589.77,-197.49 589.77,-249.27 653.6,-313.1 720.4,-313.1 733.5,-326.2 R39.2@733.5,-402.9 R35.1@733.5,-449.2
VCCD: C57.1 U16.16 | length 102.4
  Bottom Layer w12: U16.16@-401.5,877.59 -401.5,888.9 C57.1@-337.1,953.3